# Altium PCB PCB_CAR.PcbDoc (part 2 of 3)
Units mil, origin at the board's own origin, x right, y up, seen from the top; angles counter-clockwise.
Board outline 3935 x 3900 mil, 4 copper layers (Top Layer, GND, PWR, Bottom Layer), stack 23.756 mil thick; 293 components, 267 nets, 1116 pads, 574 vias.
Unrouted connection lines stored in the file: 3.
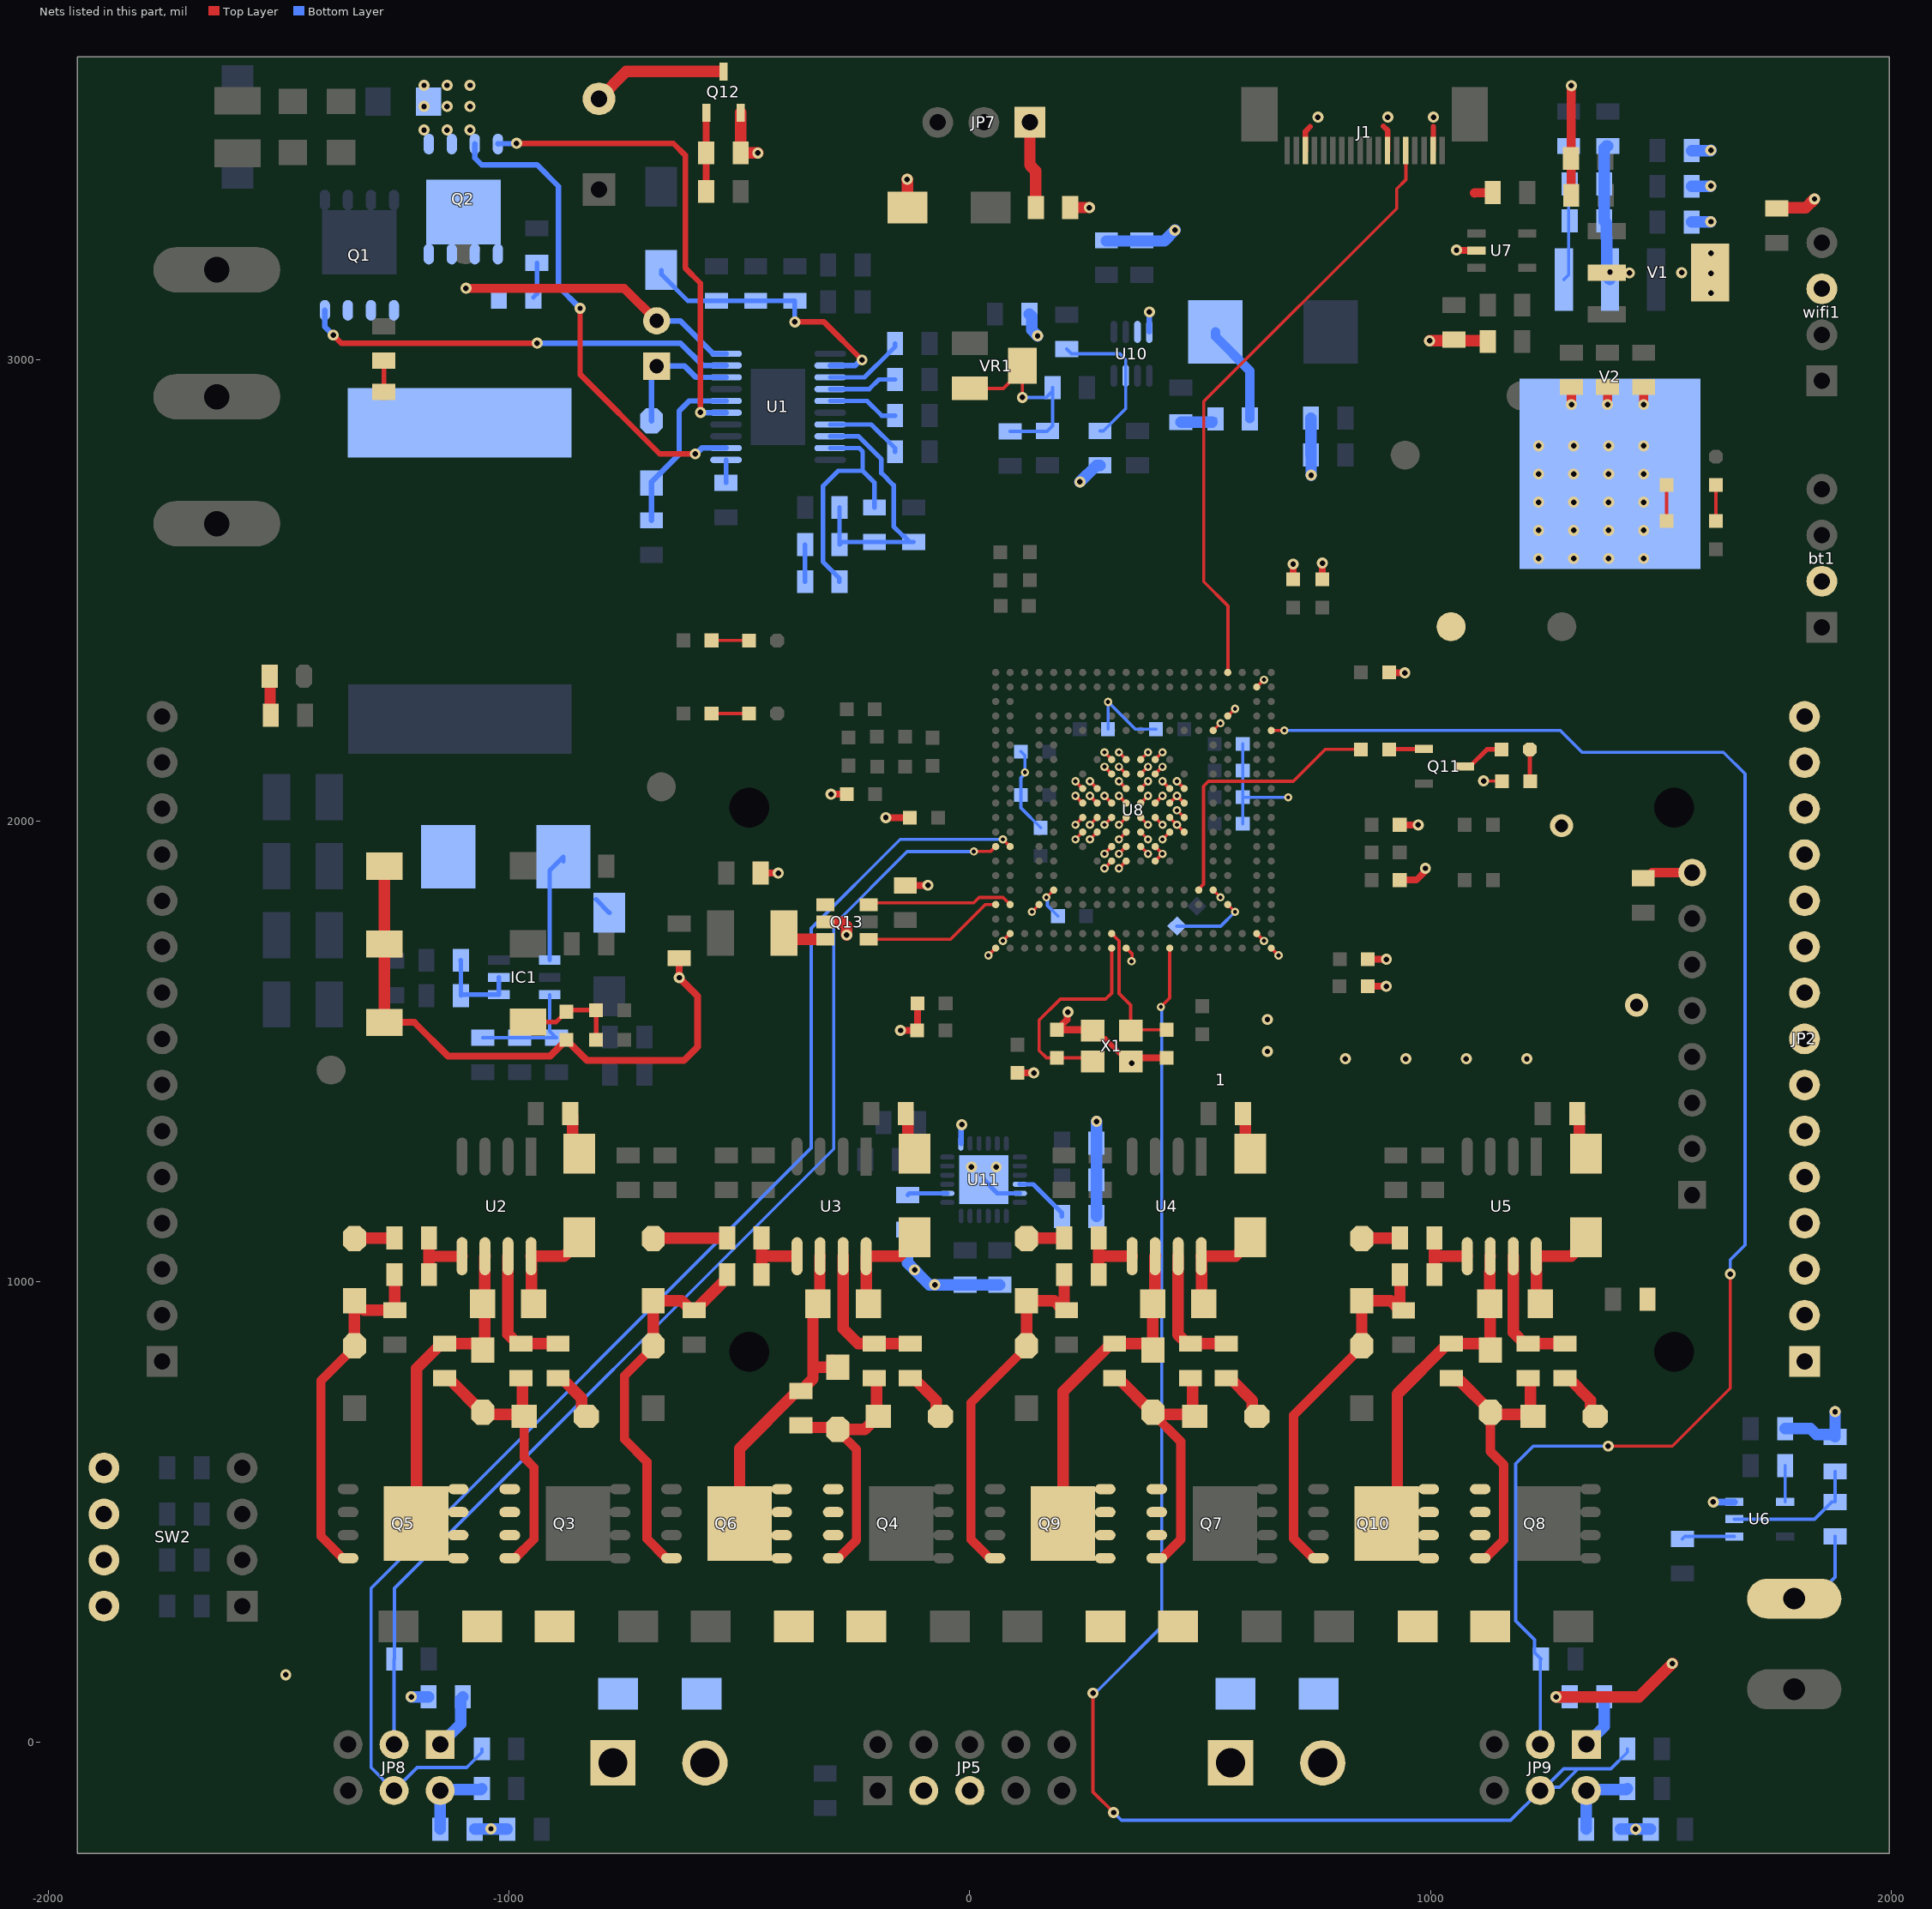
[diagram p4: the nets of this part, all layers, seen from the top]

## Via types
v1: diameter 24, hole 12, Top Layer to Bottom Layer, 474 vias
v2: diameter 18, hole 9, Top Layer to Bottom Layer, 92 vias
v3: diameter 50, hole 28, Top Layer to Bottom Layer, 6 vias
v4: diameter 122.05, hole 122.05, Top Layer to Bottom Layer, 2 vias

## Nets (pads, with @x,y where several pads share a name; then routed paths per layer and width w, separated by ;. In a path a pad name is that pad's centre, name@x,y a point inside that pad or via, vN(x,y) a via of type N, cw(c..) or ccw(c..) an arc to the next point about the centre after c; other vN are vias at no path point) (continued)
CORE_GND: 1.1 bt1.2 C33.2 C34.2 C35.2 C36.1 C37.1 C38.1 C39.1 C40.1 C41.2 C42.2 C43.1 C44.1 C45.2 C46.1 C47.2 C48.1 C49.2 C50.1 C51.2 C52.1 C53.1 C54.1 C55.1 C56.1 C57.1 C58.1 C59.2 C60.1 C61.2 C62.2 C63.1 C65.2 C66.2 C67.2 C69.2 C70.2 C71.2 C72.1 C73.1 C74.1 C75.1 C76.1 C77.1 C78.1 C79.1 C80.1 C81.1 C82.1 C83.1 C84.2 C85.1 C86.1 C87.1 C88.1 C89.2 C93.2 D28.1 GND.1 J1.2 J1.7 J1.16 JP2.1 JP2.2 JP2.3 JP2.4 JP2.5 JP2.6 JP2.7 JP2.8 JP2.9 JP2.10 JP2.11 JP2.12 JP2.13 JP2.14 JP2.15 JP5.3 JP5.5 L6.1 L7.1 L8.1 LB6.2 Q12.2 Q13.5 R3.1 R40.2 R47.2 R50.2 R59.2 R79.2 R80.1 RC.1 RF2.1 SW1.1 SW2.5 SW2.6 SW2.7 SW2.8 SW3.2 SW4.2 U6.3 U7.2 U8.A20 U8.B2 U8.B19 U8.D4 U8.D17 U8.E5 U8.E16 U8.G9 U8.G10 U8.G11 U8.G12 U8.H9 U8.H10 U8.H11 U8.H12 U8.J7 U8.J8 U8.J10 U8.J11 U8.J13 U8.J14 U8.K7 U8.K8 U8.K9 U8.K10 U8.K11 U8.K12 U8.K13 U8.L7 U8.L8 U8.L9 U8.L10 U8.L11 U8.L12 U8.L13 U8.L14 U8.L20 U8.M7 U8.M8 U8.M10 U8.M11 U8.M13 U8.M14 U8.N9 U8.N10 U8.N11 U8.N12 U8.P9 U8.P10 U8.P11 U8.P12 U8.T16 U8.U17 U8.W19 U8.Y20 U10.4 U11.1 U11.11 U11.25 V1.2 V1.4 V2.2 wifi1.3 X1.2 X1.4 | length 7763.2
  Top Layer w7: v2(40.29,1707.8) U8.Y20@56.04,1723.54 ; v2(71.79,1739.29) U8.W19@87.54,1755.04 ; v2(134.78,1802.28) U8.U17@150.53,1818.03 ; v2(166.28,1833.78) U8.T16@182.02,1849.53 ; v2(229.27,1959.76) U8.P12@245.02,1975.51 ; v2(229.27,1991.26) U8.P11@245.02,2007.01 ; v2(229.27,2054.25) U8.P10@245.02,2038.5 ; v2(229.27,2085.75) U8.P9@245.02,2070 ; v2(260.76,1959.76) U8.N12@276.51,1975.51 ; v2(260.76,1991.26) U8.N11@276.51,2007.01 ; v2(260.76,2054.25) U8.N10@276.51,2038.5 ; v2(260.76,2085.75) U8.N9@276.51,2070 ; v2(292.26,1896.77) U8.M14@308.01,1912.52 ; v2(292.26,1928.27) U8.M13@308.01,1944.02 ; v2(292.26,1991.26) U8.M11@308.01,2007.01 ; v2(292.26,2054.25) U8.M10@308.01,2038.5 ; v2(292.26,2117.24) U8.M8@308.01,2101.5 ; v2(292.26,2148.74) U8.M7@308.01,2132.99 ; v2(323.76,1896.77) U8.L14@339.5,1912.52 ; v2(323.76,1928.27) U8.L13@339.5,1944.02 ; v2(323.76,1959.76) U8.L12@339.5,1975.51 ; v2(323.76,1991.26) U8.L11@339.5,2007.01 ; v2(323.76,2054.25) U8.L10@339.5,2038.5 ; v2(323.76,2085.75) U8.L9@339.5,2070 ; v2(323.76,2117.24) U8.L8@339.5,2101.5 ; v2(323.76,2148.74) U8.L7@339.5,2132.99 ; U8.L20@339.5,1723.54 352.64,1710.41 352.64,1696.74 v2(350.92,1695.01) ; U8.K13@371,1944.02 v2(386.75,1928.27) ; U8.K12@371,1975.51 v2(386.75,1959.76) ; U8.K11@371,2007.01 v2(386.75,1991.26) ; U8.K10@371,2038.5 v2(386.75,2054.25) ; U8.K9@371,2070 v2(386.75,2085.75) ; U8.K8@371,2101.5 v2(386.75,2117.24) ; U8.K7@371,2132.99 v2(386.75,2148.74) ; U8.J14@402.5,1912.52 v2(418.24,1928.27) U8.J13@402.5,1944.02 ; U8.J11@402.5,2007.01 v2(418.24,1991.26) ; U8.J10@402.5,2038.5 v2(418.24,2054.25) ; U8.J8@402.5,2101.5 v2(418.24,2117.24) ; U8.J7@402.5,2132.99 v2(418.24,2148.74) ; v2(418.24,1959.76) U8.H12@433.99,1975.51 ; v2(418.24,2085.75) U8.H9@433.99,2070 ; U8.H11@433.99,2007.01 v2(449.74,1991.26) U8.G12@465.49,1975.51 ; U8.H10@433.99,2038.5 v2(449.74,2054.25) U8.G10@465.49,2038.5 ; v2(449.74,2022.76) U8.G11@465.49,2007.01 ; v2(449.74,2085.75) U8.G9@465.49,2070 ; U8.E16@528.48,1849.53 v2(544.23,1833.78) ; U8.E5@528.48,2195.98 v2(544.23,2211.73) ; U8.D17@559.98,1818.03 v2(575.72,1802.28) ; U8.D4@559.98,2227.48 v2(575.72,2243.23) ; U8.B19@622.97,1755.04 v2(638.72,1739.29) ; U8.B2@622.97,2290.47 v2(638.72,2306.22) ; U8.A20@654.46,1723.54 v2(670.21,1707.79) ; v1(1115.7,2086.42) 1154.54,2086.42 R3.1@1155.31,2085.64
  Top Layer w8: J1.2@1006.06,3455.02 J1.2@1006.38,3455.34 ; 1006.38,3506.84 1006.7,3507.15
  Top Layer w12: X1.4@266.67,1544.34 284.29,1526.72 293.65,1526.72 325.34,1495.03 331.72,1495.03 X1.2@349.35,1477.41 ; J1.16@728.86,3455.02 728.86,3496.7 739,3506.84 ; 898,3508 907.06,3498.94 J1.7@907.06,3455.02 ; J1.2@1006.38,3455.34 1006.38,3506.84
  Top Layer w15: SW1.1@-1271.31,1562.21 -1205.99,1562.21 -1132.96,1489.18 -911.12,1489.18 C88.1@-876.15,1524.15 -831.53,1479.54 -620.5,1479.54 -590.85,1509.18 -590.85,1619.36 v1(-630.83,1659.35) -630.83,1701.51 C89.2@-631.15,1701.83 ; C93.2@-454.13,1886.76 v1@-414.5,1886.76 ; v1(-301.48,2057.64) LB6.2@-266.85,2057.64 ; v1(-182.42,2006.82) -182.22,2006.62 -130.47,2006.62 C61.2@-130.27,2006.42 ; v1(-150.51,1544.86) C45.2@-114.11,1544.86 -113.91,1545.07 -113.91,1602.99 C47.2@-113.71,1603.19 ; C63.1@-140.17,1859.35 -139.88,1859.64 -91.29,1859.64 v1(-91,1859.93) ; C49.2@103.28,1452.5 v1(138.92,1452.5) ; v1(213.02,1584.83) 211.3,1583.11 211.3,1568.56 C41.2@189,1546.26 264.75,1546.26 X1.4@266.67,1544.34 ; X1.2@349.35,1477.41 357.02,1485.08 C51.2@427.42,1485.08 ; v1(701.97,2557.21) 702.14,2557.04 702.14,2524.13 C53.1@702.3,2523.96 ; C60.1@765.54,2523.96 C60.1@765.54,2523.96 765.58,2559.42 v1(765.62,2559.45) ; C59.2@864.08,1640.63 v1(904.14,1640.63) v1@904.27,1640.75 ; C62.2@864.33,1699.43 864.46,1699.29 904.27,1699.29 v1(904.4,1699.16) ; C42.2@910.59,2321.97 911,2321.56 944.15,2321.56 v1(944.57,2321.14) ; R40.2@933.31,1871.27 969.55,1871.27 987.46,1889.17 987.46,1895.05 v1(989.18,1896.77) ; R50.2@933.31,1991.26 933.39,1991.18 973.54,1991.18 v1(973.62,1991.09) ; v1(1056.74,3239.08) 1057.27,3238.54 1099.34,3238.54 U7.2@1099.88,3238
  Top Layer w20: 1095.86,3363 1096.4,3363.53 1134.78,3363.53 C33.2@1135.31,3364.06 ; C37.1@1305.6,3358 1305.6,3595.65 v1@1306.3,3596.35 ; v1(1306.3,2903.58) C40.1@1306.3,2941.6 ; v1(1384.65,2903.58) C38.1@1384.65,2941.6 ; C87.1@1462,1875.4 1469.5,1875.4 1481.75,1887.66 1.1@1568.33,1887.66 ; v1(1463,2903.58) C39.1@1463,2941.6
  Top Layer w25: SW1.1@-1271.31,1562.21 SW3.2@-1271.31,1732.22 SW4.2@-1271.31,1901.43 ; Q12.2@-497.6,3537.32 R79.2@-497.6,3450 -497.42,3449.81 v1(-460.26,3449.81) ; Q13.5@-313.88,1780.22 -276.29,1780.22 -267.44,1771.38 v1(-267.44,1751.94) ; v1(-135.93,3392.57) -135.58,3392.22 D28.1@-135.58,3331.29 ; L6.1@218.09,3331.3 v1(259.7,3331.3) ; v1(998.18,3041.99) 1049.3,3041.99 1049.95,3042.64 1122.22,3042.64 C34.2@1124.43,3040.43 ; v1(1272.81,98) 1453.01,98 v1(1525.29,170.28) ; C84.2@1752.35,3329.5 1753.7,3330.85 1814.85,3330.85 v1(1834,3350)
  Bottom Layer w7: C50.1@110.86,2150.33 119.79,2141.4 v2(119.79,2105.04) 119.79,2102.06 110.86,2093.13 C54.1@110.86,2055.84 110.86,2027.92 C57.1@153.97,1984.8 ; v2(166.28,1833.78) 168.38,1831.67 168.38,1815.96 C56.1@191.38,1792.96 ; C48.1@300.14,2198.77 v2(300.14,2257.86) 359.23,2198.77 C43.1@404.02,2198.77 ; C44.1@449.73,1771.33 544.77,1771.33 v2(575.72,1802.28) ; C55.1@592.59,1993.42 C52.1@592.59,2051.17 ; C46.1@592.59,2166.67 C58.1@592.59,2108.92 C52.1@592.59,2051.17 ; v2(691.22,2050.95) 592.81,2050.95 C52.1@592.59,2051.17
  Bottom Layer w10: U11.25@30.39,1220.7 59.93,1191.16 U11.11@108.64,1191.16
  Bottom Layer w12: U11.1@-19.29,1299.44 -18.81,1299.93 -18.81,1338.98 v1(-17.52,1340.27) ; U10.4@389.58,3061.36 389.7,3061.49 389.7,3104.53 v1(389.83,3104.65)
  Bottom Layer w15: v1(1614.17,521.09) U6.3@1659.97,521.09
  Bottom Layer w25: v1(-1212.62,97.9) -1175.5,97.9 L7.1@-1175.4,98 ; C76.1@-1075.06,-189.3 C77.1@-1004.46,-189.3 ; C71.2@-135,1112.6 -135,1040 -87.6,992.6 C73.1@-10,992.6 C72.1@65,992.6 ; RF2.1@129.27,3100 134.27,3095 134.27,3065.55 v1(147.11,3052.71) ; v1(239.18,2735.62) 275.16,2771.6 C65.2@282.66,2771.6 ; C74.1@274.8,1141.06 R80.1@274.8,1220.53 C75.1@274.8,1300 275.09,1300.28 v1(275.09,1347.19) ; C67.2@296.45,3258.8 421.95,3258.8 v1(445.33,3282.18) ; C70.2@740.6,2874 C69.2@740.6,2794 741.09,2793.5 v1(741.09,2750.13) ; v1(1272.81,98) L8.1@1302.6,98 ; C78.1@1385,3464.9 1382.4,3464.9 1377.4,3459.9 C79.1@1377.4,3382.3 C80.1@1377.41,3302.3 1382.41,3297.3 1382.41,3264.4 1382.82,3263.99 1382.82,3182.26 V2.2@1390,3175.08 ; C85.1@1412.94,-189.3 C86.1@1478.13,-189.3 ; C81.1@1567.46,3300 v1@1608.39,3300 ; C82.1@1567.46,3377.5 v1@1608.39,3377.5 ; C83.1@1567.46,3455 1608.38,3455 v1(1609.07,3455.68) ; R47.2@1770.37,680.29 1825.37,680.29 1838.26,667.4 1873.75,667.4 R59.2@1878.75,662.4 v1(1878.75,717)
  other v1: 1445.54,-189.3 -1039.82,-188.54 -1485.15,145.84 -76.14,992.6 -119.91,1024.91 3.44,1248.45 57.28,1248.45 351.89,1473.91 815.37,1483.25 946.69,1483.25 1078.01,1483.25 1209.33,1483.25 646.12,1499.23 646.12,1568.56 -415.79,1886.39 1235,2569.34 1311,2569.34 1387,2569.34 1463,2569.34 1235,2630.5 1311,2630.5 1387,2630.5 1463,2630.5 1235,2691.67 1311,2691.67 1387,2691.67 1463,2691.67 1235,2752.83 1311,2752.83 1387,2752.83 1463,2752.83 1235,2814 1311,2814 1387,2814 1463,2814 1609.2,3145.27 1609.07,3188.07 1431.98,3189.41 1545.65,3190.02 1390,3191 1609.07,3232.04 1609.07,3300.68 1609.07,3378.18 755.8,3527.63 907.56,3527.63 1006.75,3527.63 1305.95,3596
  other v3: 1448,1600.12 1284.49,1989.36
GPT12_T2EUDB_P33_6: JP8.4 R82.1 U8.W13 | length 3342.7
  Top Layer w7: v2(71.79,1959.76) U8.W13@87.54,1944.02
  Bottom Layer w7: v2(71.79,1959.76) -32.7,1959.76 -151.24,1959.76 -344.39,1766.61 -344.39,1289.61 -1300,334 -1300,-55.45 ; -1300,-55.45 JP8.4@-1250,-105.45 ; -1300,-55.45 JP8.4@-1250,-105.45 ; JP8.4@-1250,-105.45 -1200,-55.45 ; JP8.4@-1250,-105.45 -1200,-55.45 ; -1200,-55.45 -1092.36,-55.45 ; -1200,-55.45 -1092.36,-55.45 ; -1092.36,-55.45 R82.1@-1059.4,-22.5 ; -1092.36,-55.45 R82.1@-1059.4,-22.5 ; R82.1@-1059.4,-22.5 R82.1@-1059.4,-15 R82.1@-1059.4,-22.5
GPT12_T2INB_P33_7: JP8.3 R81.1 U8.Y13 | length 2770.7
  Top Layer w7: v2(8.69,1933.35) 44.7,1933.35 U8.Y13@55.36,1944.02
  Bottom Layer w7: v2(8.69,1933.35) 8.24,1932.9 -32.7,1932.9 -136.31,1932.9 -295.61,1773.6 -295.61,1287.39 -1249.4,333.6 R81.1@-1249.4,180 ; R81.1@-1250,179.4 -1250,0 R81.1@-1250,179.4 ; R81.1@-1250,179.4 R81.1@-1249.4,180 ; R81.1@-1250,179.4 R81.1@-1249.4,180
GPT12_T6EUDA_P20_0: JP9.4 R84.1 U8.H20 | length 3386.4
  Top Layer w7: v1(267.35,106.2) 267.35,-108.23 v1(312.25,-153.13) ; v2(414.82,1595.89) 433.99,1615.06 U8.H20@433.99,1723.54
  Bottom Layer w7: v1(267.35,106.2) 271.96,106.2 278.42,112.67 278.71,112.67 416.86,250.82 416.86,1593.85 v2(414.82,1595.89) ; v1(312.25,-153.13) 329.12,-170 1174.03,-170 JP9.4@1238.58,-105.45 1241.7,-105.45 1289.15,-58 1392.09,-58 R84.1@1427.6,-22.5 ; JP9.4@1239.97,-98.44 1280.58,-98.44 1321.19,-57.83 1392.26,-57.83 R84.1@1427.6,-22.5 ; R84.1@1427.6,-22.5 R84.1@1427.6,-15 R84.1@1427.6,-22.5
GPT12_T6INB_P10_2: JP9.3 R83.1 U8.A5 | length 3575.9
  Top Layer w7: U8.A5@654.46,2195.98 654.58,2196.1 682.87,2196.1 v2(682.98,2196.21) ; v1(1386.18,642.29) 1525.29,642.29 1651,768 v1(1651,1016)
  Bottom Layer w7: v2(682.98,2196.21) 1281.79,2196.21 1329.26,2148.74 1636.26,2148.74 1683,2102 1683,1079 1651,1047 v1(1651,1016) ; JP9.3@1238.58,0.17 1238.58,178.39 R83.1@1240.2,180 1226.2,194 1226.2,221.8 1185.23,262.77 1185.23,604.03 1223.48,642.29 v1(1386.18,642.29)
HREF: J1.5 U8.D1 | length 1336.9
  Top Layer w7: U8.D1@559.98,2321.97 560.73,2322.72 560.73,2466.27 508,2519 508,2910.31 926.86,3329.17 926.86,3371.87 946.66,3391.67 J1.5@946.66,3455.02
NetC4_2: C4.2 D3.1 U1.16 | length 746.4
  Bottom Layer w12: D3.1@-691.15,2733.12 D3.1@-691.15,2735.62 ; D3.1@-691.15,2733.12 -691.15,2652.26 D3.1@-691.15,2733.12 ; D3.1@-691.15,2733.12 D3.1@-691.15,2735.62 ; D3.1@-691.15,2735.62 -631.14,2795.63 ; D3.1@-691.15,2735.62 -631.14,2795.63 ; -631.14,2795.63 -631.14,2889.86 ; -631.14,2795.63 -631.14,2889.86 ; -631.14,2889.86 -609.47,2911.53 ; -631.14,2889.86 -609.47,2911.53 ; -609.47,2911.53 U1.16@-529.43,2911.53 -609.47,2911.53
NetC5_1: C5.1 RC1.1 | length 156.3
  Bottom Layer w10: C5.1@-940.03,3143.88 RC1.1@-940.03,3211.29 C5.1@-940.03,3143.88 ; C5.1@-940.03,3143.88 C5.1@-947.63,3136.29 C5.1@-940.03,3143.88
NetC5_2: C5.2 E1.2 L1.1 Q1.1 Q1.2 Q1.3 Q2.5 Q2.6 Q2.7 Q2.8 Q2.9 U1.20 | length 1246.9
  Top Layer w20: -750.53,3156 v1(-1094,3156) -750.53,3156 ; -750.53,3156 E1.2@-680.03,3085.5 -750.53,3156
  Bottom Layer w12: -628.67,3085.5 E1.2@-680.03,3085.5 -628.67,3085.5 ; -628.67,3085.5 U1.20@-557.06,3013.89 ; -628.67,3085.5 U1.20@-557.06,3013.89 ; U1.20@-557.06,3013.89 U1.20@-529.43,3013.89 U1.20@-557.06,3013.89
NetC12_2: C12.2 U1.5 | length 308
  Bottom Layer w10: -223.15,2911.53 U1.5@-303.19,2911.53 -223.15,2911.53 ; -223.15,2911.53 -191.24,2879.62 ; -223.15,2911.53 -191.24,2879.62 ; -191.24,2879.62 C12.2@-162.43,2879.62 -191.24,2879.62
NetC13_2: C13.2 U1.7 | length 339.2
  Bottom Layer w10: -213.99,2860.35 U1.7@-303.19,2860.35 -213.99,2860.35 ; -213.99,2860.35 C13.2@-162.43,2808.79 ; -213.99,2860.35 C13.2@-162.43,2808.79 ; C13.2@-162.43,2808.79 C13.2@-162.43,2801.29 C13.2@-162.43,2808.79
NetC14_1: C14.1 R10.2 U1.9 | length 779.6
  Bottom Layer w10: R10.2@-283.15,2519 -283.15,2526.5 -319,2562.35 -319,2726.64 ; C14.1@-207.2,2680.1 -207.2,2734.23 ; -319,2726.64 -285.98,2759.66 ; -319,2726.64 -285.98,2759.66 ; -285.98,2759.66 -232.63,2759.66 ; -285.98,2759.66 -232.63,2759.66 ; -240.51,2809.17 U1.9@-303.19,2809.17 -240.51,2809.17 ; -240.51,2809.17 -232.63,2801.29 ; -240.51,2809.17 -232.63,2801.29 ; -232.63,2759.66 -207.2,2734.23 ; -232.63,2759.66 -232.63,2801.29 ; -232.63,2759.66 -232.63,2801.29 ; -232.63,2759.66 -207.2,2734.23
NetC14_2: C14.2 C15.2 RFB1.2 RFB2.1 U1.8 | length 777.9
  Bottom Layer w10: RFB1.2@-282.85,2680.1 C15.2@-282.85,2599.55 -277.11,2605.29 C14.2@-207.2,2605.3 -133.51,2605.29 -132.01,2605.29 -132.01,2607.6 -142.2,2617.79 -144.51,2617.79 -165.43,2638.71 -165.43,2728.49 ; RFB2.1@-129.7,2605.29 RFB2.1@-122.2,2605.29 ; -242.06,2834.76 U1.8@-303.19,2834.76 -242.06,2834.76 ; -242.06,2834.76 -191.93,2784.63 ; -242.06,2834.76 -191.93,2784.63 ; -191.93,2754.98 -191.93,2784.63 ; -191.93,2754.98 -165.43,2728.49 ; -191.93,2754.98 -165.43,2728.49 ; -191.93,2754.98 -191.93,2784.63
NetC15_1: C15.1 R10.1 | length 80.5
  Bottom Layer w10: R10.1@-357.65,2519 C15.1@-357.65,2599.55
NetC16_1: C16.1 D6.1 D11.2 D13.2 DZ1.1 JP3.1 Q3.1 Q3.2 Q3.3 Q5.5 Q5.6 Q5.7 Q5.8 Q5.9 R17.1 U2.6 | length 1305.4
  Top Layer w25: -1201.52,810.94 R17.1@-1147.53,864.93 ; -1201.52,810.94 -1201.52,537.75 -1201.52,810.94 ; -1201.52,810.94 R17.1@-1147.53,864.93 ; R17.1@-1147.53,864.93 R17.1@-1140.03,864.93 ; R17.1@-1147.53,864.93 R17.1@-1140.03,864.93 ; R17.1@-1140.03,864.93 DZ1.1@-1070,864.93 ; R17.1@-1140.03,864.93 DZ1.1@-1070,864.93 ; DZ1.1@-1070,864.93 DZ1.1@-1057.5,852.43 ; DZ1.1@-1070,864.93 DZ1.1@-1057.5,852.43 ; DZ1.1@-1057.5,850.52 DZ1.1@-1053.36,854.66 ; DZ1.1@-1057.5,850.52 DZ1.1@-1057.5,852.43 ; DZ1.1@-1057.5,850.52 DZ1.1@-1057.5,852.43 ; DZ1.1@-1057.5,850.52 DZ1.1@-1053.36,854.66 ; DZ1.1@-1053.36,854.66 U2.6@-1053.36,1053.87 ; DZ1.1@-1053.36,854.66 U2.6@-1053.36,1053.87 ; U2.6@-1053.36,1053.87 U2.6@-1052.67,1054.56 U2.6@-1053.36,1053.87
NetC16_2: C16.2 D7.2 U2.8 | length 463.6
  Top Layer w25: U2.8@-952.67,1054.56 D7.2@-880.7,1054.56 ; U2.8@-952.67,1054.56 U2.8@-951.98,1053.87 ; U2.8@-952.67,1054.56 U2.8@-951.98,1053.87 ; U2.8@-952.67,1054.56 D7.2@-880.7,1054.56 ; C16.2@-951.98,955.85 U2.8@-951.98,1053.87 ; C16.2@-951.98,955.85 C16.2@-947.55,951.42 C16.2@-951.98,955.85 ; C16.2@-951.98,955.85 U2.8@-951.98,1053.87 ; D7.2@-880.7,1054.56 D7.2@-848.38,1086.87 ; D7.2@-880.7,1054.56 D7.2@-848.38,1086.87 ; D7.2@-848.38,1086.87 D7.2@-848.38,1095.73 D7.2@-848.38,1086.87
NetC17_1: C17.1 D5.1 D11.1 D12.2 DZ2.1 JP3.2 Q4.1 Q4.2 Q4.3 Q6.5 Q6.6 Q6.7 Q6.8 Q6.9 R18.1 U3.6 | length 1427.1
  Top Layer w25: -499.91,636.79 Q6.9@-499.91,474 -499.91,636.79 ; -499.91,636.79 R18.1@-374.54,762.16 ; -499.91,636.79 R18.1@-374.54,762.16 ; R18.1@-374.54,762.16 R18.1@-367.04,762.16 R18.1@-374.54,762.16 ; -340.62,788.58 -354.54,774.66 -340.62,788.58 ; -340.62,788.58 -340.62,813.42 ; -340.62,788.58 -340.62,813.42 ; -340.62,813.42 DZ2.1@-286.92,813.42 ; -340.62,813.42 C17.1@-340.62,941.04 ; -340.62,813.42 C17.1@-340.62,941.04 ; -340.62,813.42 DZ2.1@-286.92,813.42 ; C17.1@-340.62,941.04 C17.1@-330.24,951.43 ; C17.1@-340.62,941.04 C17.1@-330.24,951.43 ; C17.1@-330.24,951.43 C17.1@-325.81,955.86 ; C17.1@-330.24,951.43 C17.1@-325.81,955.86 ; C17.1@-325.81,955.86 U3.6@-325.81,1053.87 ; C17.1@-325.81,955.86 U3.6@-325.81,1053.87 ; U3.6@-325.81,1053.87 U3.6@-325.12,1054.56 U3.6@-325.81,1053.87 ; DZ2.1@-286.92,813.42 DZ2.1@-286.92,815.92 ; DZ2.1@-286.92,813.42 DZ2.1@-286.92,815.92 ; DZ2.1@-286.92,815.92 -299.42,828.42 DZ2.1@-286.92,815.92
NetC17_2: C17.2 D8.2 U3.8 | length 466.1
  Top Layer w25: U3.8@-225.12,1054.56 D8.2@-151.9,1054.56 ; U3.8@-225.12,1054.56 U3.8@-224.43,1053.87 ; U3.8@-225.12,1054.56 U3.8@-224.43,1053.87 ; U3.8@-225.12,1054.56 D8.2@-151.9,1054.56 ; C17.2@-224.43,955.85 C17.2@-220.01,951.42 C17.2@-224.43,955.85 ; C17.2@-224.43,955.85 U3.8@-224.43,1053.87 ; C17.2@-224.43,955.85 U3.8@-224.43,1053.87 ; D8.2@-151.9,1054.56 D8.2@-119.59,1086.87 ; D8.2@-151.9,1054.56 D8.2@-119.59,1086.87 ; D8.2@-119.59,1086.87 D8.2@-119.59,1095.73 D8.2@-119.59,1086.87
NetC22_1: C22.1 D17.1 D22.2 D24.2 DZ5.1 JP4.1 Q7.1 Q7.2 Q7.3 Q9.5 Q9.6 Q9.7 Q9.8 Q9.9 R31.1 U4.6 | length 1471.9
  Top Layer w25: 202.44,760.49 Q9.9@202.44,474 202.44,760.49 ; 202.44,760.49 R31.1@306.88,864.93 ; 202.44,760.49 R31.1@306.88,864.93 ; R31.1@306.88,864.93 R31.1@314.38,864.93 ; R31.1@306.88,864.93 R31.1@314.38,864.93 ; R31.1@314.38,864.93 DZ5.1@384.82,864.93 ; R31.1@314.38,864.93 DZ5.1@384.82,864.93 ; DZ5.1@384.82,864.93 DZ5.1@397.32,852.43 ; DZ5.1@384.82,864.93 DZ5.1@397.32,852.43 ; DZ5.1@397.32,852.43 DZ5.1@397.32,850.52 DZ5.1@397.32,852.43 ; DZ5.1@397.32,852.43 C22.1@397.32,951.43 ; DZ5.1@397.32,852.43 C22.1@397.32,951.43 ; C22.1@397.32,951.43 C22.1@401.74,955.84 ; C22.1@397.32,951.43 C22.1@401.74,955.84 ; C22.1@401.74,955.84 U4.6@401.74,1053.87 ; C22.1@401.74,955.84 U4.6@401.74,1053.87 ; U4.6@401.74,1053.87 U4.6@402.42,1054.56 U4.6@401.74,1053.87
NetC22_2: C22.2 D18.2 U4.8 | length 468.6
  Top Layer w25: U4.8@502.42,1054.56 D18.2@576.89,1054.56 ; U4.8@502.42,1054.56 U4.8@503.11,1053.87 ; U4.8@502.42,1054.56 U4.8@503.11,1053.87 ; U4.8@502.42,1054.56 D18.2@576.89,1054.56 ; C22.2@503.11,955.87 C22.2@507.55,951.42 C22.2@503.11,955.87 ; C22.2@503.11,955.87 U4.8@503.11,1053.87 ; C22.2@503.11,955.87 U4.8@503.11,1053.87 ; D18.2@576.89,1054.56 D18.2@609.21,1086.87 ; D18.2@576.89,1054.56 D18.2@609.21,1086.87 ; D18.2@609.21,1086.87 D18.2@609.21,1095.73 D18.2@609.21,1086.87
NetC23_1: C23.1 D16.1 D22.1 D23.2 DZ6.1 JP4.2 Q8.1 Q8.2 Q8.3 Q10.5 Q10.6 Q10.7 Q10.8 Q10.9 R32.1 U5.6 | length 1495.8
  Top Layer w25: Q10.9@928.27,497.49 928.27,755.38 ; Q10.9@928.27,497.49 Q10.9@904.78,474 Q10.9@928.27,497.49 ; Q10.9@928.27,497.49 928.27,755.38 ; 928.27,755.38 R32.1@1037.82,864.93 ; 928.27,755.38 R32.1@1037.82,864.93 ; R32.1@1037.82,864.93 R32.1@1045.32,864.93 ; R32.1@1037.82,864.93 R32.1@1045.32,864.93 ; R32.1@1045.32,864.93 DZ6.1@1117.92,864.93 ; R32.1@1045.32,864.93 DZ6.1@1117.92,864.93 ; DZ6.1@1117.92,864.93 DZ6.1@1129.48,853.37 ; DZ6.1@1117.92,864.93 DZ6.1@1129.48,853.37 ; C23.1@1128.54,951.43 C23.1@1129.48,950.49 ; C23.1@1128.54,951.43 U5.6@1128.54,1019.93 ; C23.1@1128.54,951.43 U5.6@1128.54,1019.93 ; C23.1@1128.54,951.43 C23.1@1129.48,950.49 ; U5.6@1128.54,1019.93 U5.6@1129.28,1020.67 ; U5.6@1128.54,1019.93 U5.6@1129.28,1020.67 ; U5.6@1129.28,1020.67 U5.6@1129.28,1053.87 ; U5.6@1129.28,1020.67 U5.6@1129.28,1053.87 ; U5.6@1129.28,1053.87 U5.6@1129.97,1054.56 U5.6@1129.28,1053.87 ; DZ6.1@1129.48,853.37 C23.1@1129.48,950.49 ; DZ6.1@1129.48,853.37 DZ6.1@1130.42,852.43 ; DZ6.1@1129.48,853.37 DZ6.1@1130.42,852.43 ; DZ6.1@1129.48,853.37 C23.1@1129.48,950.49 ; DZ6.1@1130.42,852.43 DZ6.1@1130.42,850.52 DZ6.1@1130.42,852.43